# Altium PCB Outdoor_Tracker_v1.0.PcbDoc (part 2 of 2)
Units mm, origin at the board's own origin, x right, y up, seen from the top; angles counter-clockwise.
Board outline 60 x 60 mm, 4 copper layers (Top Layer, L2, L3, Bottom Layer), stack 0.971 mm thick; 134 components, 109 nets, 594 pads, 661 vias.
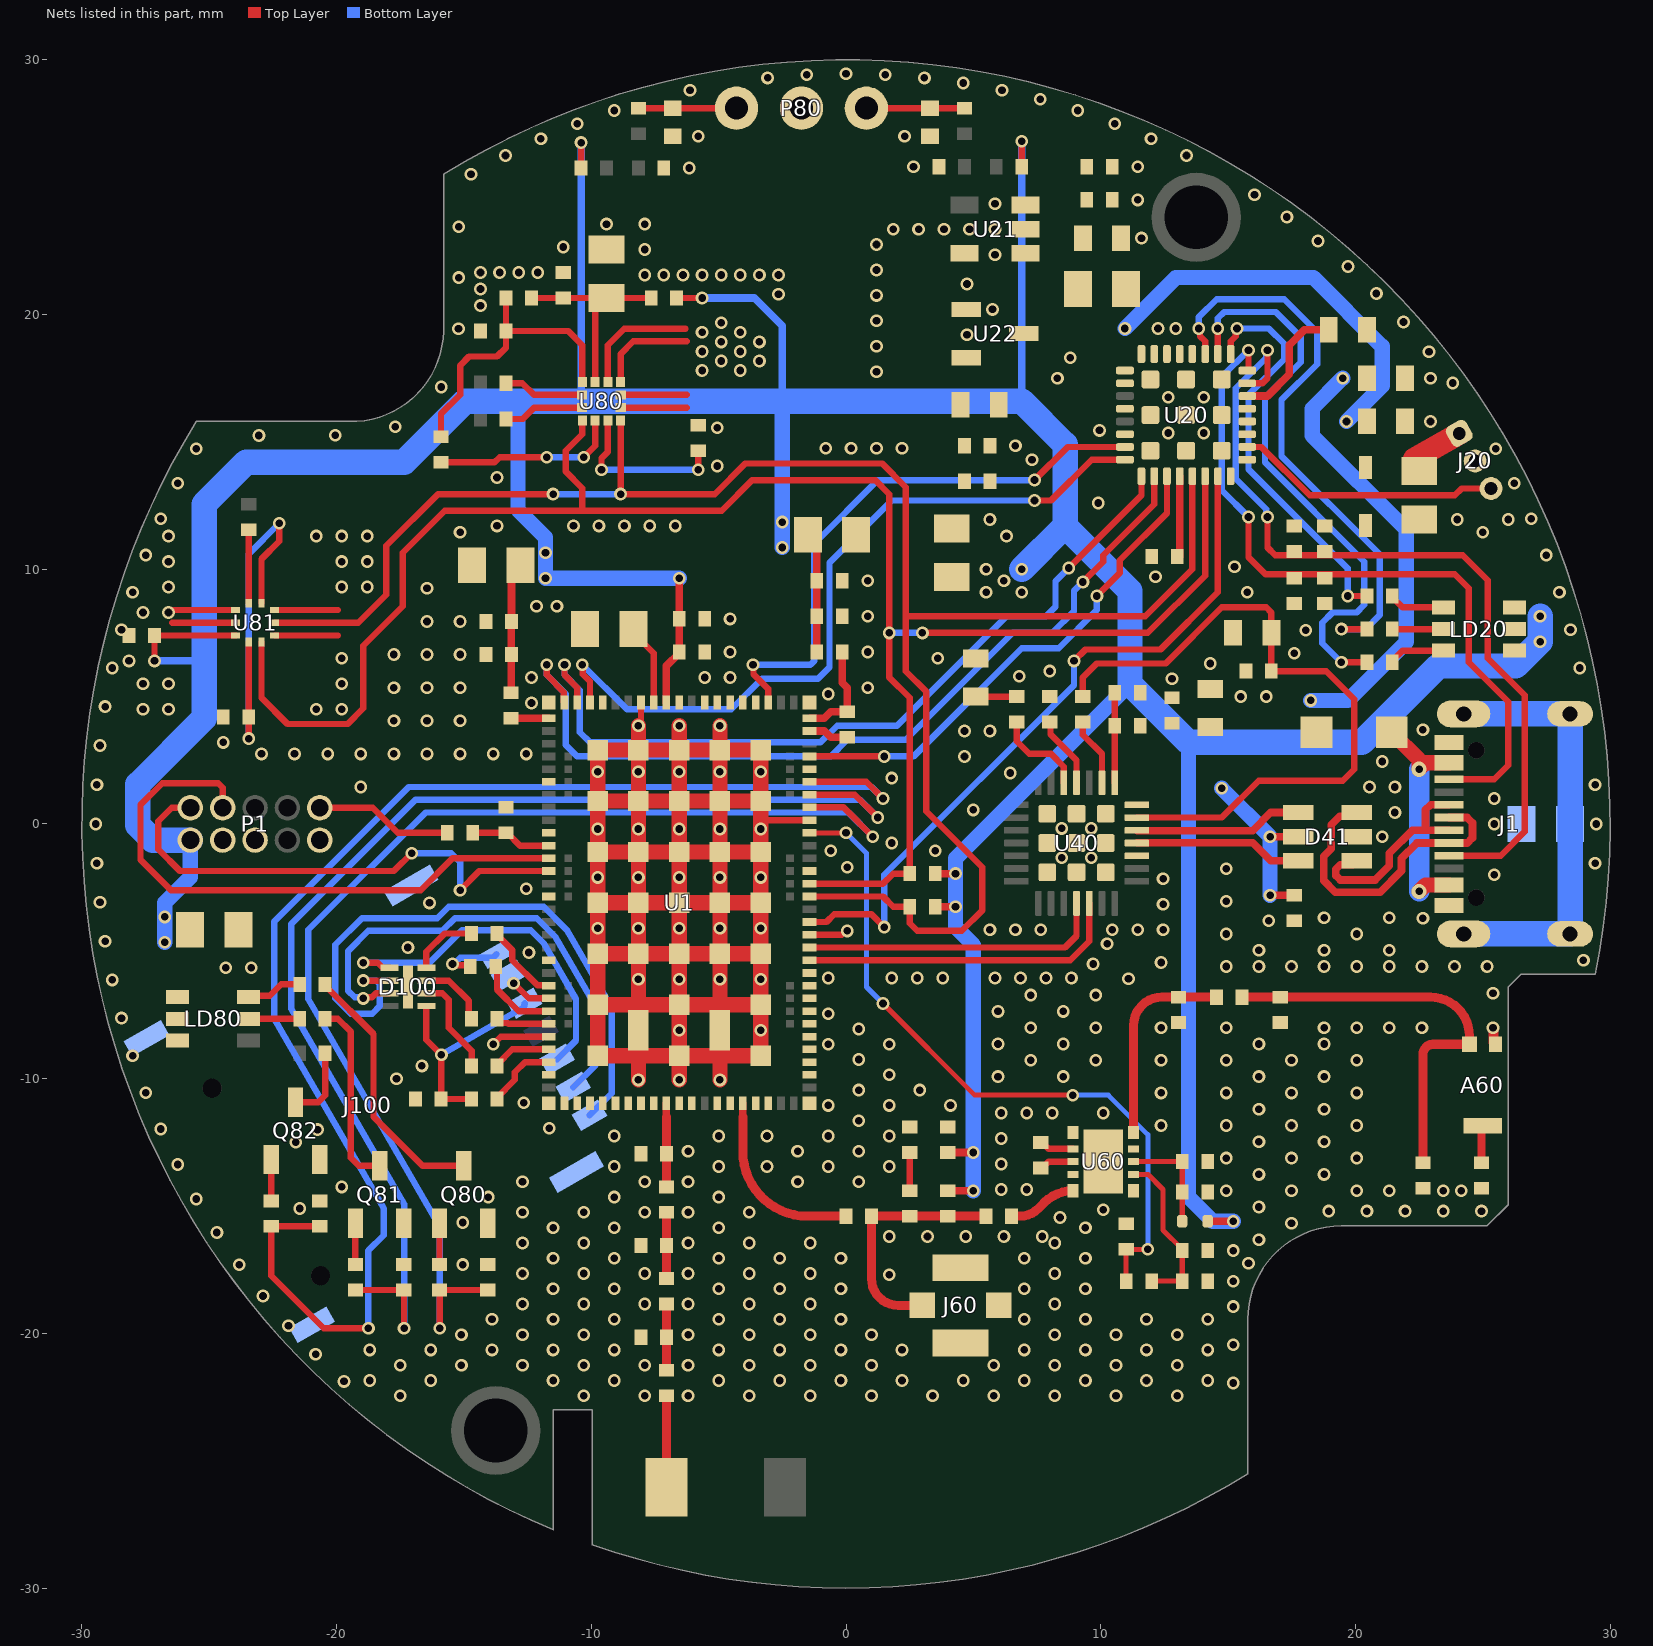
[diagram p4: the nets of this part, all layers, seen from the top]

## Via types
v1: diameter 0.5, hole 0.3, Top Layer to Bottom Layer, tented both sides, 659 vias
v2: diameter 0.6, hole 0.3, Top Layer to Bottom Layer, tented both sides, 2 vias

## Nets (pads, with @x,y where several pads share a name; then routed paths per layer and width w, separated by ;. In a path a pad name is that pad's centre, name@x,y a point inside that pad or via, vN(x,y) a via of type N, cw(c..) or ccw(c..) an arc to the next point about the centre after c; other vN are vias at no path point) (continued)
CC1: C45.1 J1.A5 R45.2 U20.23 | length 33.8
  Top Layer w0.25: U20.23@15.75,17.3 16.35,17.3 16.55,17.5 v1(16.55,18.6) ; v1(16.55,12.05) 16.55,10.85 16.85,10.55 18.05,10.55 24.211,10.55 25.2,9.561 25.2,6.5 26.65,5.05 26.65,-0.3 25.7,-1.25 J1.A5@23.672,-1.25
  Bottom Layer w0.25: v1(16.55,12.05) 16.502,12.098 16.502,12.348 15.3,13.55 15.3,17.1 16.502,18.302 16.502,18.552 v1(16.55,18.6)
CC2: C46.1 J1.B5 R46.2 U20.24 | length 29.1
  Top Layer w0.25: U20.24@15.75,17.8 15.775,17.8 15.8,17.825 v1(15.8,18.6) ; v1(15.8,12.05) 15.8,10.469 16.469,9.8 17.6,9.8 18.85,9.8 23.9,9.8 24.45,9.25 24.45,6.35 26,4.8 26,2.3 25.45,1.75 J1.B5@23.672,1.75
  Bottom Layer w0.25: v1(15.8,12.05) 14.75,13.1 14.75,17.55 v1(15.8,18.6)
COEX0: R61.2 R62.2 U1.93 | length 27.9
  Top Layer w0.2: U1.93@-1.43,-0.35 v1(0,-0.35) ; v1(1.45,-7.05) 5.05,-10.65 v1(8.9,-10.65) ; R61.2@11,-17.95 R62.2@11,-16.7 v1(11.85,-16.7)
  Bottom Layer w0.2: v1(0,-0.35) 0.8,-1.15 0.8,-6.4 v1(1.45,-7.05) ; v1(8.9,-10.65) 10.3,-10.65 11.85,-12.2 v1(11.85,-16.7)
EARTH: J1.S1 J1.S2 J1.S3 J1.S4 R47.2 | length 17
  Bottom Layer w1: J1.S1@24.247,-4.32 J1.S2@28.428,-4.32 J1.S3@28.428,4.32 J1.S4@24.247,4.32
GND: A60.2 C1.2 C2.2 C3.2 C4.2 C5.2 C6.2 C7.1 C8.2 C9.2 C10.2 C11.2 C20.2 C21.2 C22.2 C25.2 C26.2 C27.2 C28.2 C29.2 C30.2 C32.2 C37.2 C40.2 C41.2 C42.2 C43.2 C44.2 C45.2 C46.2 C60.1 C63.2 C64.2 C65.2 C66.2 C67.2 C68.2 C69.2 C72.2 C73.2 C74.2 C80.2 C81.2 C82.2 C83.2 C84.2 C85.2 C86.2 C100.2 D20.1 D41.2 D80.2 D81.2 D100.9 J1.A1_B12 J1.B1_A12 J20.2 J60.2 J60.3 J60.4 J100.0 J100.C5 L63.1 L65.1 LD40.K P1.3 P1.5 P1.9 P80.2 Q80.E Q81.E Q82.E R42.1 R43.1 R45.1 R46.1 R47.1 R62.1 R92.1 R93.1 R97.1 R98.1 U1.1 U1.5 U1.6 U1.7 U1.8 U1.9 U1.11 U1.14 U1.17 U1.21 U1.27 U1.31 U1.36 U1.41 U1.44 U1.47 U1.50 U1.52 U1.56 U1.60 U1.62 U1.63 U1.65 U1.66 U1.68 U1.69 U1.72 U1.74 U1.75 U1.76 U1.77 U1.78 U1.79 U1.80 U1.81 U1.82 U1.85 U1.90 U1.94 U1.98 U1.103 U20.2 U20.6 U20.16 U20.17 U20.28 U20.29 U20.30 U20.31 U20.33 U21.2 U22.1 U40.3 U40.29 U60.1 U60.4 U60.6 U60.9 U60.11 U80.5 U80.6 U80.7 U80.8 U81.3 U81.5 U81.8 U81.9 | length 143
  Top Layer w0.25: -26.45,7.9 U81.9@-23.962,7.9 ; v1@-26.45,8.4 U81.8@-23.962,8.4 ; U81.3@-22.437,7.4 -19.95,7.4 ; U81.5@-22.437,8.4 -19.95,8.4 ; v1(-13.85,-8.65) -13.55,-8.35 U1.47@-11.67,-8.35 ; v1(-13.05,-6.25) -12.45,-6.85 U1.44@-11.67,-6.85 ; U80.8@-9.35,17.355 -9.35,18.795 -8.7,19.445 -6.3,19.445 ; U80.7@-8.85,17.355 -8.85,18.45 -8.35,18.95 -6.25,18.95 ; U80.5@-8.84,16.345 -6.255,16.345 ; U80.6@-8.84,16.845 -6.255,16.845 ; v1@-8.05,4.018 U1.14@-8.05,4.77 ; -3.35,0.15 U1.94@-1.43,0.15 ; U1.85@-1.43,-4.35 -0.168,-4.35 -0.018,-4.2 v1(0.05,-4.2)
  Top Layer w0.4: v1(25.4,-8) 25.419,-8.019 A60.2@25.419,-8.569
  Top Layer w0.6: v1(-8.15,-10.05) -8.15,-9.1 ; v1(-8.15,3.85) U1.103@-8.15,2.9 ; v1(-6.55,-10.05) U1.103@-6.55,-9.1 ; v1(-6.55,3.85) U1.103@-6.55,2.9 ; v1(-4.95,-10.05) -4.95,-9.1 ; v1(-4.95,3.85) U1.103@-4.95,2.9 ; U1.103@-9.75,-7.1 U1.103@-6.55,-7.1 ; U1.103@-9.75,-7.1 -9.75,-8.35 U1.103@-9.75,-9.1 -8.15,-9.1 ; U1.103@-9.75,-7.1 U1.103@-9.75,-5.1 ; U1.103@-9.75,-5.1 U1.103@-9.75,-3.1 ; U1.103@-9.75,-5.1 U1.103@-8.15,-5.1 ; U1.103@-9.75,-3.1 U1.103@-8.15,-3.1 ; U1.103@-9.75,-3.1 U1.103@-9.75,-1.1 ; U1.103@-9.75,-1.1 U1.103@-8.15,-1.1 ; U1.103@-9.75,-1.1 U1.103@-9.75,0.9 ; U1.103@-9.75,0.9 U1.103@-8.15,0.9 ; U1.103@-9.75,0.9 U1.103@-9.75,2.9 U1.103@-8.15,2.9 ; -8.15,-9.1 U1.103@-6.55,-9.1 ; -8.15,-9.1 U1.103@-8.15,-5.1 ; U1.103@-8.15,-5.1 U1.103@-8.15,-3.1 ; U1.103@-8.15,-5.1 U1.103@-6.55,-5.1 ; U1.103@-8.15,-3.1 U1.103@-8.15,-1.1 ; U1.103@-8.15,-3.1 U1.103@-6.55,-3.1 ; U1.103@-8.15,-1.1 U1.103@-6.55,-1.1 ; U1.103@-8.15,-1.1 U1.103@-8.15,0.9 ; U1.103@-8.15,0.9 U1.103@-8.15,2.9 ; U1.103@-8.15,0.9 U1.103@-6.55,0.9 ; U1.103@-8.15,2.9 U1.103@-6.55,2.9 ; U1.103@-6.55,-9.1 -4.95,-9.1 ; U1.103@-6.55,-9.1 U1.103@-6.55,-7.1 ; U1.103@-6.55,-7.1 U1.103@-3.35,-7.1 ; U1.103@-6.55,-7.1 U1.103@-6.55,-5.1 ; U1.103@-6.55,-5.1 U1.103@-4.95,-5.1 ; U1.103@-6.55,-5.1 U1.103@-6.55,-3.1 ; U1.103@-6.55,-3.1 U1.103@-4.95,-3.1 ; U1.103@-6.55,-3.1 U1.103@-6.55,-1.1 ; U1.103@-6.55,-1.1 U1.103@-4.95,-1.1 ; U1.103@-6.55,-1.1 U1.103@-6.55,0.9 ; U1.103@-6.55,0.9 U1.103@-6.55,2.9 ; U1.103@-6.55,0.9 U1.103@-4.95,0.9 ; U1.103@-6.55,2.9 U1.103@-4.95,2.9 ; -4.95,-9.1 U1.103@-3.35,-9.1 U1.103@-3.35,-7.1 ; -4.95,-9.1 U1.103@-4.95,-5.1 ; U1.103@-4.95,-5.1 U1.103@-3.35,-5.1 ; U1.103@-4.95,-5.1 U1.103@-4.95,-3.1 ; U1.103@-4.95,-3.1 U1.103@-3.35,-3.1 ; U1.103@-4.95,-3.1 U1.103@-4.95,-1.1 ; U1.103@-4.95,-1.1 U1.103@-3.35,-1.1 ; U1.103@-4.95,-1.1 U1.103@-4.95,0.9 ; U1.103@-4.95,0.9 U1.103@-4.95,2.9 ; U1.103@-4.95,0.9 U1.103@-3.35,0.9 ; U1.103@-4.95,2.9 U1.103@-3.35,2.9 U1.103@-3.35,0.9 ; U1.103@-3.35,-7.1 U1.103@-3.35,-5.1 ; U1.103@-3.35,-5.1 U1.103@-3.35,-3.1 ; U1.103@-3.35,-3.1 U1.103@-3.35,-1.1 ; U1.103@-3.35,-1.1 -3.35,0.15 U1.103@-3.35,0.9
  other v1: -17.5,-22.45 -10.3,-22.45 -7.9,-22.45 -6.2,-22.45 -3.8,-22.45 -1.4,-22.45 1,-22.45 3.4,-22.45 5.8,-22.45 8.2,-22.45 10.6,-22.45 13,-22.45 15.2,-21.95 -19.706,-21.886 -18.7,-21.85 -16.3,-21.85 -11.5,-21.85 -9.1,-21.85 -5,-21.85 -2.6,-21.85 -0.2,-21.85 2.2,-21.85 4.6,-21.85 7,-21.85 9.4,-21.85 11.8,-21.85 14.2,-21.85 -17.5,-21.25 -15.1,-21.25 -12.7,-21.25 -10.3,-21.25 -7.9,-21.25 -6.2,-21.25 -3.8,-21.25 -1.4,-21.25 1,-21.25 5.8,-21.25 8.2,-21.25 10.6,-21.25 13,-21.25 -20.824,-20.824 -18.7,-20.65 -16.3,-20.65 -13.9,-20.65 -11.5,-20.65 -9.1,-20.65 -5,-20.65 -2.6,-20.65 -0.2,-20.65 2.2,-20.65 7,-20.65 9.4,-20.65 11.8,-20.65 14.2,-20.65 15.2,-20.45 -15.1,-20.05 -12.7,-20.05 -10.3,-20.05 -6.2,-20.05 -3.8,-20.05 -1.4,-20.05 1,-20.05 8.2,-20.05 10.6,-20.05 13,-20.05 -21.886,-19.706 -13.9,-19.45 -11.5,-19.45 -9.1,-19.45 -5,-19.45 -2.6,-19.45 -0.2,-19.45 7,-19.45 9.4,-19.45 11.8,-19.45 14.2,-19.45 15.2,-18.95 -12.7,-18.85 -10.3,-18.85 -7.9,-18.85 -6.2,-18.85 -3.8,-18.85 -1.4,-18.85 8.2,-18.85 -22.887,-18.533 -11.5,-18.25 -9.1,-18.25 -5,-18.25 -2.6,-18.25 -0.2,-18.25 7,-18.25 9.4,-18.25 15.2,-17.95 1.7,-17.7 -12.7,-17.65 -10.3,-17.65 -7.9,-17.65 -6.2,-17.65 -3.8,-17.65 -1.4,-17.65 8.2,-17.65 -23.826,-17.31 -15.05,-17.3 15.8,-17.25 -11.5,-17.05 -9.1,-17.05 -5,-17.05 -2.6,-17.05 -0.2,-17.05 7,-17.05 9.4,-17.05 15.2,-16.75 -12.7,-16.45 -10.3,-16.45 -6.2,-16.45 -3.8,-16.45 -1.4,-16.45 8.2,-16.45 16.21,-16.32 1.7,-16.2 3.2,-16.2 4.7,-16.2 6.2,-16.2 7.7,-16.2 -24.699,-16.04 -11.5,-15.85 -9.1,-15.85 -5,-15.85 9.4,-15.85 17.49,-15.68 -15.05,-15.65 8.4,-15.45 -12.7,-15.25 -10.3,-15.25 -7.9,-15.25 -6.2,-15.25 -3.8,-15.25 18.95,-15.2 20.45,-15.2 21.95,-15.2 23.45,-15.2 24.95,-15.2 10.1,-15.15 -21.45,-15.1 16.21,-15.04 -25.504,-14.725 -14.05,-14.65 -9.1,-14.65 -5,-14.65 14.93,-14.4 17.49,-14.4 20.05,-14.4 21.33,-14.4 23.45,-14.4 24.15,-14.4 6.1,-14.35 7.1,-14.35 -19.8,-14.25 -12.7,-14.05 -7.9,-14.05 -6.2,-14.05 -1.9,-14.05 0.5,-14.05 16.21,-13.76 18.77,-13.76 -9.1,-13.45 -5,-13.45 -3.1,-13.45 -0.7,-13.45 1.7,-13.45 -26.24,-13.37 6.1,-13.35 14.93,-13.12 17.49,-13.12 20.05,-13.12 -6.2,-12.85 -1.9,-12.85 0.5,-12.85 -21.6,-12.5 16.21,-12.48 18.77,-12.48 6.1,-12.35 -9.1,-12.25 -5,-12.25 -3.1,-12.25 -0.7,-12.25 1.7,-12.25 -26.904,-11.978 -20.75,-12 -11.65,-11.95 12.37,-11.84 14.93,-11.84 17.49,-11.84 20.05,-11.84 0.5,-11.65 6.1,-11.35 7.1,-11.35 8.1,-11.35 10.1,-11.35 16.21,-11.2 18.77,-11.2 -0.7,-11.05 1.7,-11.05 4.1,-11.05 -12.65,-10.95 12.37,-10.56 14.93,-10.56 17.49,-10.56 20.05,-10.56 -27.494,-10.554 0.5,-10.45 2.9,-10.45 -17.65,-10 5.97,-9.92 8.53,-9.92 16.21,-9.92 18.77,-9.92 1.7,-9.85 -16.65,-9.5 7.25,-9.28 9.81,-9.28 12.37,-9.28 14.93,-9.28 17.49,-9.28 20.05,-9.28 0.5,-9.25 -28.009,-9.101 -0.7,-8.65 1.7,-8.65 5.97,-8.64 8.53,-8.64 16.21,-8.64 18.77,-8.64 -6.55,-8.1 -3.35,-8.1 0.5,-8.05 7.25,-8 9.81,-8 12.37,-8 14.93,-8 18.77,-8 20.05,-8 21.33,-8 22.61,-8 -28.447,-7.622 -0.7,-7.45 5.97,-7.36 8.53,-7.36 7.25,-6.72 9.81,-6.72 25.4,-6.65 -28.806,-6.123 -8.15,-6.1 -6.55,-6.1 -4.95,-6.1 -3.35,-6.1 11.09,-6.08 -0.7,-6.05 1.8,-6.05 2.8,-6.05 3.8,-6.05 5.85,-6.05 6.85,-6.05 7.85,-6.05 8.85,-6.05 -24.35,-5.65 -23.35,-5.65 14.93,-5.6 16.21,-5.6 17.49,-5.6 18.77,-5.6 20.05,-5.6 21.33,-5.6 22.61,-5.6 23.89,-5.6 25.17,-5.6 9.7,-5.5 12.37,-5.44 28.95,-5.35 -12.45,-5.05 16.21,-4.96 18.77,-4.96 21.33,-4.96 -17.2,-4.85 10.25,-4.7 -29.087,-4.607 14.93,-4.32 20.05,-4.32 5.65,-4.15 6.65,-4.15 7.65,-4.15 10.45,-4.15 11.45,-4.15 12.45,-4.15 -9.75,-4.1 -8.15,-4.1 -6.55,-4.1 -4.95,-4.1 -3.35,-4.1 16.6,-3.8 22.65,-3.7 18.77,-3.68 21.33,-3.68 12.45,-3.15 -16.35,-3.1 -29.289,-3.078 14.93,-3.04 -12.55,-2.55 12.45,-2.15 -9.75,-2.1 -8.15,-2.1 -6.55,-2.1 -4.95,-2.1 -3.35,-2.1 25.45,-2 14.93,-1.76 0.05,-1.7 -29.41,-1.541 29.41,-1.541 8.475,-1.325 9.625,-1.325 -0.6,-1.05 3.5,-1.05 1.8,-0.75 21.05,-0.5 -9.75,-0.2 -8.15,-0.2 -6.55,-0.2 -4.95,-0.2 -3.35,-0.2 8.475,-0.175 9.625,-0.175 -29.45,0 25.45,0 29.45,0 21.55,0.45 5,0.55 25.45,1 -19.05,1.45 20.55,1.45 21.55,1.45 -29.41,1.541 29.41,1.541 1.8,1.8 6.45,2 -9.75,2.05 -8.15,2.05 -6.55,2.05 -4.95,2.05 -3.35,2.05 21.05,2.45 4.65,2.65 -22.95,2.75 -21.65,2.75 -20.35,2.75 -19.05,2.75 -17.75,2.75 -16.45,2.75 -15.15,2.75 -13.85,2.75 -12.55,2.75 -29.289,3.078 -24.45,3.2 4.65,3.65 5.65,3.65 22.65,3.7 -17.75,4.05 -16.45,4.05 -15.15,4.05 -27.6,4.5 -26.6,4.5 -20.8,4.5 -19.8,4.5 -29.087,4.607 -12.35,4.75 15.5,5 16.5,5 -0.7,5.1 -17.75,5.35 -16.45,5.35 -15.15,5.35 0.85,5.35 -27.6,5.5 -26.6,5.5 -19.8,5.5 12.8,5.7 -12.35,5.75 -5.55,5.75 -4.55,5.75 6.8,5.8 8,6 -28.806,6.123 28.806,6.123 14.3,6.3 -28.15,6.4 -19.8,6.5 3.6,6.5 -17.75,6.65 -16.45,6.65 -15.15,6.65 17.6,6.7 -4.55,6.75 0.85,6.75 18.05,7.6 -28.447,7.622 28.447,7.622 -16.45,7.95 -15.15,7.95 -4.55,8.05 0.85,8.15 -27.6,8.3 -26.6,8.3 -12.15,8.55 -11.35,8.55 -28.009,9.101 15.75,9.1 28.009,9.101 -16.45,9.25 -26.6,9.3 -19.8,9.3 -18.8,9.3 0.85,9.55 12.15,9.7 15.25,10.1 -26.6,10.3 -19.8,10.3 -18.8,10.3 -27.494,10.554 27.494,10.554 -26.6,11.3 -20.8,11.3 -19.8,11.3 -18.8,11.3 6.3,11.3 -15.15,11.45 25,11.45 -13.7,11.7 -10.7,11.7 -9.7,11.7 -8.7,11.7 -7.7,11.7 -6.7,11.7 5.65,11.95 24,11.95 26,11.95 -26.904,11.978 26.904,11.978 9.9,12.6 -26.24,13.37 26.24,13.37 -13.7,13.6 -5.05,14.05 7.3,14.3 -25.504,14.725 25.504,14.725 -0.8,14.75 0.2,14.75 1.2,14.75 2.2,14.75 6.65,14.85 -23.05,15.25 -20.052,15.258 12.65,15.35 14.05,15.35 9.95,15.45 -5.05,15.55 -17.692,15.595 22.95,15.8 12.65,16.75 14.05,16.75 -15.889,17.154 23.826,17.31 8.3,17.5 22.95,17.5 1.2,17.75 -5.65,17.8 -4.15,17.8 -4.9,18.175 -3.4,18.175 8.8,18.3 -5.65,18.55 -4.15,18.55 22.887,18.533 1.2,18.75 -4.9,18.925 -3.4,18.925 4.75,19.2 -5.65,19.3 -4.15,19.3 -15.215,19.445 12.25,19.45 12.95,19.45 -4.9,19.675 21.886,19.706 1.2,19.75 5.75,20.2 -14.35,20.35 1.2,20.75 -2.65,20.8 20.824,20.824 -14.35,21 4.75,21.2 -15.2,21.45 -7.9,21.55 -7.15,21.55 -6.4,21.55 -5.65,21.55 -4.9,21.55 -4.15,21.55 -3.4,21.55 -2.65,21.55 -14.35,21.65 -13.6,21.65 -12.85,21.65 -12.1,21.65 1.2,21.75 19.706,21.886 5.85,22.35 -7.9,22.55 -11.1,22.65 1.2,22.75 18.533,22.887 11.6,23 1.85,23.35 2.85,23.35 3.85,23.35 4.85,23.35 5.85,23.35 -15.2,23.45 -9.4,23.55 -7.9,23.55 17.31,23.826 5.85,24.35 11.45,24.5 16.04,24.699 -14.725,25.504 -6.15,25.75 2.65,25.8 11.45,25.8 -13.37,26.24 13.37,26.24 -11.978,26.904 11.978,26.904 -5.8,27 2.3,27 -10.554,27.494 10.554,27.494 -9.101,28.009 9.101,28.009 7.622,28.447 -6.123,28.806 6.123,28.806 4.607,29.087 -3.078,29.289 3.078,29.289 -1.541,29.41 1.541,29.41 0,29.45
GPS_RF: C61.1 U1.67 | length 7.4
  Top Layer w0.3: -4.05,-11.5 U1.67@-4.05,-10.97
  Top Layer w0.357: -4.05,-11.5 -4.05,-12.86 ccw(c-1.51,-12.86) -1.51,-15.4 C61.1@0,-15.4
GREEN_LED_K: LD80.5 R86.2 | length 2.2
  Top Layer w0.25: LD80.5@-23.45,-6.8 -23.4,-6.75 -22.625,-6.75 -22.175,-6.3 R86.2@-21.45,-6.3
I2C_SCL: R3.1 U1.89 U20.14 U80.1 U81.2 | length 74.8
  Top Layer w0.25: U81.2@-22.95,7.138 -22.95,4.95 -21.925,3.925 -19.562,3.925 -18.95,4.537 -18.95,7 -17.4,8.55 -17.4,10.65 -15.75,12.3 -10.35,12.3 ; U80.1@-10.35,15.835 -10.35,15.3 -11,14.65 -11,13.834 -10.35,13.184 -10.35,12.3 ; U1.89@-1.43,-2.35 1.45,-2.35 1.85,-1.95 R3.1@2.5,-1.95 2.5,4.95 1.7,5.75 v1(1.7,7.5) 1.7,12.95 1.15,13.5 -3.681,13.5 -4.881,12.3 -10.35,12.3 ; v1(3,7.5) 11.85,7.5 14.1,9.75 U20.14@14.1,13.65
  Bottom Layer w0.25: v1(1.7,7.5) v1(3,7.5)
I2C_SDA: R4.1 U1.88 U20.13 U80.4 U81.4 | length 73.4
  Top Layer w0.25: U81.4@-22.437,7.9 -19.15,7.9 -18.05,9 -18.05,10.919 -16.019,12.95 v1(-11.5,12.95) ; U80.4@-8.85,15.835 v1(-8.85,12.95) -5.15,12.95 -3.95,14.15 1.419,14.15 2.35,13.219 2.35,8.15 ; U1.88@-1.43,-2.85 1.45,-2.85 1.85,-3.25 R4.1@2.5,-3.25 2.5,-3.9 2.8,-4.2 4.55,-4.2 5.35,-3.4 5.35,-1.7 3.15,0.5 3.15,5.2 2.35,6 2.35,8.15 ; U20.13@13.6,13.65 13.6,10 11.75,8.15 2.35,8.15
  Bottom Layer w0.25: v1(-11.5,12.95) v1(-8.85,12.95)
LED0: R28.1 U20.25 | length 16
  Top Layer w0.25: U20.25@15.1,18.45 15.1,18.95 15.302,19.152 15.302,19.402 v1(15.35,19.45) ; v1(19.7,8.95) R28.1@20.45,8.95
  Bottom Layer w0.25: v1(15.35,19.45) 16.6,19.45 17.2,18.85 17.2,18.25 15.8,16.85 15.8,13.931 19.7,10.031 v1(19.7,8.95)
LED1: R26.1 U20.26 | length 22.7
  Top Layer w0.25: U20.26@14.6,18.45 v1(14.6,19.45) ; v1(19.45,6.35) R26.1@20.45,6.35
  Bottom Layer w0.25: v1(14.6,19.45) 14.6,19.85 14.85,20.1 16.869,20.1 17.85,19.119 17.85,18.131 16.45,16.731 16.45,14.2 20.35,10.3 20.35,8.6 20.05,8.3 19.1,8.3 18.7,7.9 18.7,7.1 v1(19.45,6.35)
LED2: R27.1 U20.27 | length 23
  Top Layer w0.25: v1(13.85,19.45) 13.898,19.402 13.898,19.152 14.1,18.95 U20.27@14.1,18.45 ; v1(19.45,7.65) R27.1@20.45,7.65
  Bottom Layer w0.25: v1(13.85,19.45) 13.85,19.9 14.55,20.6 17.2,20.6 18.5,19.3 18.5,18.05 17.1,16.65 17.1,14.431 20.95,10.581 20.95,8.2 20.4,7.65 v1(19.45,7.65)
LED_BLUE: R96.2 R97.2 U1.97 | length 55.3
  Top Layer w0.25: R97.2@-20.66,-15.8 R96.2@-22.56,-15.8 -22.56,-17.74 -20.5,-19.8 v1(-18.75,-19.8) ; U1.97@-1.43,1.65 0.8,1.65 v1(1.45,1)
  Bottom Layer w0.25: v1(-18.75,-19.8) -18.75,-16.75 -18.15,-16.15 -18.15,-15.096 -22.45,-7.649 -22.45,-3.829 -17.171,1.45 1,1.45 v1(1.45,1)
LED_GREEN: R90.2 R92.2 U1.95 | length 47.8
  Top Layer w0.25: v1(-15.95,-19.8) -15.955,-19.795 -15.955,-18.305 R90.2@-15.96,-18.3 R92.2@-14.06,-18.3 ; U1.95@-1.43,0.65 -0.1,0.65 v1(1.05,-0.5)
  Bottom Layer w0.25: v1(-15.95,-19.8) -15.95,-15.807 -21.108,-6.874 -21.108,-4.158 -16.5,0.45 0.1,0.45 v1(1.05,-0.5)
LED_RED: R91.2 R93.2 U1.96 | length 48.9
  Top Layer w0.25: R91.2@-19.26,-18.3 R93.2@-17.36,-18.3 -17.355,-18.305 -17.355,-19.795 v1(-17.35,-19.8) ; U1.96@-1.43,1.15 0.35,1.15 v1(1.25,0.25)
  Bottom Layer w0.25: v1(-17.35,-19.8) -17.35,-14.932 -21.779,-7.261 -21.779,-3.929 -16.9,0.95 0.55,0.95 v1(1.25,0.25)
LTE_RF: C70.2 C73.1 U1.61 | length 3.3
  Top Layer w0.3: -7.05,-11.5 U1.61@-7.05,-10.97
  Top Layer w0.357: C70.2@-7.05,-14.25 C73.1@-7.05,-12.95 -7.05,-11.5
MAGPIO0: U1.55
MAGPIO1: U1.54
MAGPIO2: U1.53
MIPI_SCLK: U1.58
MIPI_SDATA: U1.59
MIPI_VIO: U1.57
NetA60_1: A60.1 C65.1 C69.1 R60.1 | length 16.4
  Top Layer w0.357: R60.1@15.6,-6.8 22.95,-6.8 cw(c22.95,-8.325) 24.475,-8.325 A60.1@24.475,-8.65 23.05,-8.65 ccw(c23.05,-9.05) 22.65,-9.05 C69.1@22.65,-13.3
NetA60_3: A60.3 C72.1 | length 1.5
  Top Layer w0.3: C72.1@24.95,-13.3 24.95,-11.9 A60.3@25,-11.85
NetA61_1: A61.1 L64.2 | length 3.6
  Top Layer w0.357: A61.1@-7.05,-26.05 L64.2@-7.05,-22.45
NetC9_1: C9.1 U1.13 | length 3.2
  Top Layer w0.25: C9.1@-8.35,7.65 -8.35,7.5 -7.55,6.7 U1.13@-7.55,4.77
NetC10_1: C10.1 R2.1 U1.32 | length 3.2
  Top Layer w0.25: R2.1@-14.65,-0.35 C10.1@-13.35,-0.35 -13.3,-0.35 -12.8,-0.85 U1.32@-11.67,-0.85
NetC61_2: C61.2 C62.1 J60.1 L60.1 L61.2 | length 9.5
  Top Layer w0.357: J60.1@3,-18.9 2.05,-18.9 cw(c2.05,-17.85) 1,-17.85 C61.2@1,-15.4 L61.2@2.5,-15.4 L60.1@4,-15.4 C62.1@5.5,-15.4
NetC62_2: C62.2 U60.10 | length 2.7
  Top Layer w0.357: C62.2@6.5,-15.4 6.826,-15.4 ccw(c6.826,-14.376) 7.55,-15.1 7.782,-14.868 cw(c8.912,-15.999) U60.10@8.912,-14.4
NetC63_1: C63.1 C64.1 JP60.1 U60.3 | length 4.3
  Top Layer w0.2: U60.3@11.288,-13.256 C63.1@13.2,-13.256 C64.1@13.2,-14.45 JP60.1@13.2,-15.6
NetC66_1: C66.1 L61.1 | length 1.5
  Top Layer w0.25: L61.1@2.5,-14.4 C66.1@2.5,-12.9
NetC67_1: C67.1 C68.1 R61.1 U60.2 | length 6.5
  Top Layer w0.2: U60.2@11.288,-13.757 11.857,-13.757 12.45,-14.35 12.45,-15.95 13.2,-16.7 C68.1@13.2,-16.75 C67.1@13.2,-17.95 R61.1@12,-17.95
NetC70_1: C70.1 C71.2 C74.1 | length 2.6
  Top Layer w0.357: C71.2@-7.05,-17.85 C74.1@-7.05,-16.55 C70.1@-7.05,-15.25
NetC71_1: C71.1 L64.1 L65.2 | length 2.6
  Top Layer w0.357: L64.1@-7.05,-21.45 L65.2@-7.05,-20.15 C71.1@-7.05,-18.85
NetC82_1: C82.1 C83.1 R80.1 R81.2 U80.9 | length 8.2
  Top Layer w0.25: R81.2@-12.35,20.65 C83.1@-11.1,20.65 C82.1@-9.425,20.65 ; U80.9@-9.85,17.355 -9.85,20.225 C82.1@-9.425,20.65 ; R80.1@-7.65,20.65 C82.1@-9.4,20.65 C82.1@-9.425,20.65
NetC84_1: C84.1 R81.1 R99.2 U80.10 | length 11.8
  Top Layer w0.25: R99.2@-15.9,15.2 -15.9,16.1 -15.15,16.85 -15.15,18 -14.8,18.35 -13.7,18.35 -13.35,18.7 C84.1@-13.35,19.35 ; R81.1@-13.35,20.65 C84.1@-13.35,19.35 ; -10.354,18.795 -10.909,19.35 C84.1@-13.35,19.35 ; U80.10@-10.35,17.355 -10.35,18.795
NetC100_1: C100.1 D100.5 J100.C1 R101.1 | length 9
  Top Layer w0.25: D100.5@-16.475,-7.15 -16.475,-8.475 v1(-15.884,-9.066) -15.892,-9.074 -15.892,-10.792 C100.1@-15.9,-10.8 R101.1@-14.7,-10.8
  Bottom Layer w0.25: v1(-15.884,-9.066) -12.653,-7.2 J100.C1@-12.61,-7.042
NetD40_A: D40.A J1.A4_B9 J1.B4_A9 | length 9.2
  Top Layer w0.6: D40.A@21.425,3.6 22.5,2.525 v2(22.5,2.15) 22.75,2.4 J1.B4_A9@23.672,2.4 ; v2(22.5,-2.65) 22.75,-2.4 J1.A4_B9@23.672,-2.4
  Bottom Layer w0.8: v2(22.5,-2.65) v2(22.5,2.15)
NetD80_1: D80.1 P80.1 R88.2 | length 3.9
  Top Layer w0.25: P80.1@0.8,28.099 R88.2@4.65,28.1
NetD81_1: D81.1 P80.3 R89.2 | length 3.9
  Top Layer w0.25: R89.2@-8.15,28.1 P80.3@-4.3,28.099
NetD100_1: D100.1 J100.C2 | length 14.1
  Top Layer w0.25: v1(-18.95,-5.45) -18.386,-5.45 -18.186,-5.65 D100.1@-17.925,-5.65
  Bottom Layer w0.25: v1(-18.95,-5.45) -16.35,-5.45 -15.075,-4.175 -12.375,-4.175 -11.865,-4.685 -10.6,-6.876 -10.6,-8.501 J100.C2@-11.34,-9.241
NetD100_2: D100.2 J100.C3 | length 25
  Top Layer w0.25: v1(-18.95,-6.15) D100.2@-17.925,-6.15
  Bottom Layer w0.25: v1(-18.95,-6.15) -18.946,-6.154 -18.446,-6.154 -18.3,-6.3 -18.3,-7.15 -18.6,-7.45 -19.45,-7.45 -20.05,-6.85 -20.05,-4.75 -19,-3.7 -16.05,-3.7 -15.6,-3.25 -11.873,-3.25 -10.96,-4.163 -9.2,-7.211 -9.2,-10.571 J100.C3@-10.07,-11.441
NetD100_3: D100.3 J100.C7 | length 19
  Top Layer w0.25: v1(-18.95,-6.85) -18.908,-6.808 -18.608,-6.808 -18.45,-6.65 D100.3@-17.925,-6.65
  Bottom Layer w0.25: v1(-18.95,-6.85) -18.992,-6.808 -19.292,-6.808 -19.55,-6.55 -19.55,-5 -18.75,-4.2 -15.85,-4.2 -15.35,-3.7 -12.146,-3.7 -11.419,-4.428 -9.85,-7.144 -9.85,-9.486 J100.C7@-10.705,-10.341
NetD100_6: D100.6 R104.1 | length 4
  Top Layer w0.25: D100.6@-16.475,-6.65 -15.85,-6.65 -15.6,-6.9 -15.6,-7.999 -14.7,-8.899 R104.1@-14.7,-9.5
NetD100_7: D100.7 R103.1 | length 2.7
  Top Layer w0.25: D100.7@-16.475,-6.15 -15.6,-6.15 -14.815,-6.935 -14.815,-7.535 R103.1@-14.7,-7.65
NetD100_8: D100.8 R102.1 | length 2.7
  Top Layer w0.25: D100.8@-16.475,-5.65 -16.475,-5.025 -15.75,-4.3 R102.1@-14.7,-4.3
NetFB1_2: FB1.2 R1.2 U1.102 | length 4
  Top Layer w0.3: U1.102@-1.43,4.15 -0.85,4.15 -0.6,4.4 R1.2@0.05,4.4 0.05,5.35 -0.15,5.55 FB1.2@-0.15,6.75
NetFB2_2: FB2.2 U1.22 | length 1.5
  Top Layer w0.3: FB2.2@-13.15,4.15 U1.22@-11.67,4.15
NetJ100_CD: J100.CD R100.1 | length 2.6
  Top Layer w0.25: v1(-15.45,-5.5) -15.402,-5.548 -14.802,-5.548 R100.1@-14.75,-5.6
  Bottom Layer w0.25: v1(-15.45,-5.5) -15.382,-5.5 -15.139,-5.257 -13.858,-5.257 J100.CD@-13.72,-5.119
NetL62_1: L62.1 U60.7 | length 1.4
  Top Layer w0.25: L62.1@7.65,-12.506 7.7,-12.506 7.95,-12.757 U60.7@8.912,-12.757
NetL62_2: L62.2 U60.8 | length 1.4
  Top Layer w0.25: L62.2@7.65,-13.506 7.7,-13.506 7.95,-13.256 U60.8@8.912,-13.256
NetL63_2: L63.2 R60.2 U60.5 | length 8.1
  Top Layer w0.357: U60.5@11.288,-12.113 11.288,-7.912 cw(c12.4,-7.912) 12.4,-6.8 L63.2@13.05,-6.8 R60.2@14.55,-6.8
NetLD20_1: LD20.1 R28.2 | length 2.2
  Top Layer w0.25: R28.2@21.45,8.95 21.45,8.9 21.85,8.5 LD20.1@23.45,8.5
NetLD20_3: LD20.3 R27.2 | length 2
  Top Layer w0.25: R27.2@21.45,7.65 LD20.3@23.45,7.65
NetLD20_5: LD20.5 R26.2 | length 2.2
  Top Layer w0.25: R26.2@21.45,6.35 21.45,6.4 21.85,6.8 LD20.5@23.45,6.8
NetLD40_A: LD40.A R41.1 | length 1.6
  Top Layer w0.25: LD40.A@5.1,5 R41.1@6.7,5
NetQ80_B: Q80.B R90.1 | length 1.6
  Top Layer w0.25: R90.1@-15.96,-17.3 Q80.B@-15.96,-15.675
NetQ80_C: Q80.C R86.1 | length 10.3
  Top Layer w0.25: R86.1@-20.45,-6.3 -20.45,-6.35 -18.55,-8.25 -18.55,-11.5 -16.625,-13.425 Q80.C@-15.01,-13.425
NetQ81_B: Q81.B R91.1 | length 1.6
  Top Layer w0.25: R91.1@-19.26,-17.3 Q81.B@-19.26,-15.675
NetQ81_C: Q81.C R87.1 | length 7.4
  Top Layer w0.25: R87.1@-20.45,-7.65 -19.95,-7.65 -19.45,-8.15 -19.45,-13.1 -19.125,-13.425 Q81.C@-18.31,-13.425
NetQ82_B: Q82.B R96.1 | length 1.6
  Top Layer w0.25: R96.1@-22.56,-14.8 Q82.B@-22.56,-13.175
NetQ82_C: Q82.C R95.1 | length 2.9
  Top Layer w0.25: Q82.C@-21.61,-10.925 -20.725,-10.925 -20.45,-10.65 R95.1@-20.45,-9
NetR1_1: R1.1 U1.101 | length 1.6
  Top Layer w0.3: U1.101@-1.43,3.65 -0.85,3.65 -0.6,3.4 R1.1@0.05,3.4
NetR40_1: R40.1 R43.2 U40.8 | length 3.5
  Top Layer w0.25: U40.8@10.55,1.62 R40.1@10.55,3.85 R43.2@10.55,5.15
NetR41_2: R41.2 U40.12 | length 3.6
  Top Layer w0.25: R41.2@6.7,4 6.7,3.25 7.2,2.75 8.05,2.75 8.55,2.25 U40.12@8.55,1.62
NetR42_2: R42.2 U40.11 | length 2.8
  Top Layer w0.25: R42.2@8,4 8.029,3.971 8.029,3.521 9.05,2.5 U40.11@9.05,1.62
NetR44_1: R44.1 U40.9 | length 2.7
  Top Layer w0.25: R44.1@9.3,4 9.3,3.5 10.05,2.75 U40.9@10.05,1.62
NetR82_2: R82.2 U80.11 | length 3.2
  Top Layer w0.25: R82.2@-13.35,17.3 -12.705,17.3 -12.25,16.845 U80.11@-10.36,16.845
NetR83_2: R83.2 U80.12 | length 3.2
  Top Layer w0.25: R83.2@-13.35,15.9 -12.695,15.9 -12.25,16.345 U80.12@-10.36,16.345
NetR94_2: R94.2 U81.7 | length 2.9
  Top Layer w0.25: U81.7@-23.45,8.663 R94.2@-23.45,11.55
NetR98_2: R98.2 U80.3 | length 6.6
  Top Layer w0.25: v1(-9.6,13.9) -9.6,14.35 -9.35,14.6 U80.3@-9.35,15.835 ; v1(-5.8,13.9) R98.2@-5.8,14.65
  Bottom Layer w0.25: v1(-9.6,13.9) v1(-5.8,13.9)
NetR99_1: R99.1 U80.2 | length 7.3
  Top Layer w0.25: R99.1@-15.9,14.2 -13.8,14.2 -13.6,14.4 v1(-11.75,14.4) ; v1(-10.3,14.4) -9.85,14.85 U80.2@-9.85,15.835
  Bottom Layer w0.25: v1(-11.75,14.4) v1(-10.3,14.4)
nRESET: P1.10 R2.2 | length 5.4
  Top Layer w0.25: P1.10@-20.66,0.635 -18.585,0.635 -17.6,-0.35 R2.2@-15.65,-0.35
NTC: J20.3 U20.18 | length 10.5
  Top Layer w0.25: U20.18@15.75,14.8 16.3,14.8 18.2,12.9 23.9,12.9 24.167,13.167 J20.3@25.325,13.167
PMIC_GPIO0: U1.4 U20.7 | length 22.6
  Top Layer w0.25: v1(-3.65,6.25) -3.633,6.233 -3.633,5.883 -3.05,5.3 U1.4@-3.05,4.77 ; v1(7.4,13.5) 8.7,14.8 U20.7@10.95,14.8
  Bottom Layer w0.25: v1(-3.65,6.25) -1.396,6.25 -1.25,6.396 -1.25,11 1.25,13.5 v1(7.4,13.5)
PMIC_GPIO1: U1.18 U20.8 | length 30.1
  Top Layer w0.25: v1(-10.35,6.25) -10.333,6.233 -10.333,5.883 -10.05,5.6 U1.18@-10.05,4.77 ; v1(7.4,12.7) 8.05,12.7 9.65,14.3 U20.8@10.95,14.3
  Bottom Layer w0.25: v1(-10.35,6.25) -8.6,4.5 -4.5,4.5 -3.3,5.7 -1.1,5.7 -0.65,6.15 -0.65,10.25 1.8,12.7 v1(7.4,12.7)
PMIC_GPIO2: U1.19 U20.9 | length 32.2
  Top Layer w0.25: v1(-11.05,6.25) -11.05,5.85 -10.55,5.35 U1.19@-10.55,4.77 ; v1(8.75,10.05) 11.6,12.9 U20.9@11.6,13.65
  Bottom Layer w0.25: v1(-11.05,6.25) -11.05,5.85 -10.45,5.25 -10.45,3.6 -10.05,3.2 -1,3.2 -0.35,3.85 2,3.85 6.3,8.15 7.85,8.15 8.226,8.526 8.226,9.526 v1(8.75,10.05)
PMIC_GPIO3: U1.20 U20.10 | length 34.3
  Top Layer w0.25: v1(-11.75,6.25) -11.75,5.85 -11.075,5.175 -11.075,4.795 U1.20@-11.05,4.77 ; v1(9.3,9.5) 10.1,10.3 10.1,10.55 12.1,12.55 U20.10@12.1,13.65
  Bottom Layer w0.25: v1(-11.75,6.25) -11.75,5.85 -11,5.1 -11,3.1 -10.55,2.65 -0.6,2.65 0.05,3.3 2.35,3.3 6.55,7.5 8.1,7.5 8.95,8.35 8.95,9.15 v1(9.3,9.5)
PMIC_GPIO4: U1.99 U20.11 | length 20.1
  Top Layer w0.25: U1.99@-1.43,2.65 v1(1.5,2.65) ; v1(9.85,8.95) 10.75,9.85 10.75,10.35 12.6,12.2 U20.11@12.6,13.65
  Bottom Layer w0.25: v1(1.5,2.65) 2.65,2.65 6.9,6.9 8.35,6.9 9.85,8.4 v1(9.85,8.95)
RED_LED_K: LD80.3 R87.2 | length 2
  Top Layer w0.25: LD80.3@-23.45,-7.65 R87.2@-21.45,-7.65
RXD0: U1.83 U40.26 | length 12.8
  Top Layer w0.25: U1.83@-1.43,-5.35 8.807,-5.35 9.55,-4.607 U40.26@9.55,-3.12
SHPHLD: U1.86 U20.15 | length 28.1
  Top Layer w0.25: U1.86@-1.43,-3.85 -0.764,-3.85 -0.464,-3.55 1,-3.55 v1(1.5,-4.05) ; v1(8.95,6.4) 9.4,6.85 12.35,6.85 14.6,9.1 14.6,11.15 U20.15@14.6,13.65
  Bottom Layer w0.25: v1(1.5,-4.05) 1.5,-2 8.95,5.45 v1(8.95,6.4)
SIM_1V8: R101.2 U1.49 | length 2.8
  Top Layer w0.25: R101.2@-13.7,-10.8 -13.7,-10.75 -13,-10.05 -13,-9.75 -12.6,-9.35 U1.49@-11.67,-9.35
SIM_CLK: R103.2 U1.46 | length 2.1
  Top Layer w0.25: R103.2@-13.7,-7.65 -13.7,-7.69 -13.575,-7.815 -13.285,-7.815 -13.25,-7.85 U1.46@-11.67,-7.85
SIM_DET: R100.2 U1.45 | length 3.3
  Top Layer w0.25: R100.2@-13.7,-5.6 -13.7,-6.5 -12.85,-7.35 U1.45@-11.67,-7.35
SIM_IO: R104.2 U1.48 | length 2.3
  Top Layer w0.25: R104.2@-13.7,-9.5 -13.7,-9.45 -13.1,-8.85 U1.48@-11.67,-8.85
SIM_RST: R102.2 U1.43 | length 3.1
  Top Layer w0.25: R102.2@-13.7,-4.3 -13.7,-4.35 -13.1,-4.95 -13.1,-5.348 -12.109,-6.339 -11.681,-6.339 U1.43@-11.67,-6.35
SWDCLK: P1.4 U1.33 | length 23.6
  Top Layer w0.25: P1.4@-24.47,0.635 -24.47,1.42 -24.65,1.6 -26.85,1.6 -27.7,0.75 -27.7,-1.4 -26.5,-2.6 -16.7,-2.6 -15.45,-1.35 U1.33@-11.67,-1.35
SWDIO: P1.2 U1.34 | length 20.1
  Top Layer w0.25: P1.2@-25.74,0.635 -25.744,0.631 -26.469,0.631 -27,0.1 -27,-1 -26.15,-1.85 -17.75,-1.85 v1(-17.05,-1.15) ; v1(-15.15,-2.6) -14.4,-1.85 U1.34@-11.67,-1.85
  Bottom Layer w0.25: v1(-17.05,-1.15) -15.5,-1.15 -15.15,-1.5 v1(-15.15,-2.6)
TXD0: U1.84 U40.25 | length 11.9
  Top Layer w0.25: U1.84@-1.43,-4.85 8.6,-4.85 9.05,-4.4 U40.25@9.05,-3.12
USBDIN_N: D41.3 J1.A7 J1.B7 | length 12.3
  Top Layer w0.299: D41.3@20.05,0.45 19.9,0.3 19.379,0.3 19.046,-0.033 19.046,-0.981 18.754,-1.273 18.754,-2.221 19.208,-2.676 20.969,-2.676 21.808,-1.837 21.808,-1.356 22.414,-0.75 J1.B7@23.672,-0.75 24.395,-0.75 24.595,-0.55 24.595,0.05 24.395,0.25 J1.A7@23.672,0.25
USBDIN_P: D41.1 J1.A6 J1.B6 | length 8.6
  Top Layer w0.299: D41.1@20.05,-1.45 19.9,-1.6 19.406,-1.6 19.231,-1.776 19.231,-2.024 19.406,-2.199 20.772,-2.199 21.332,-1.639 21.332,-1.158 22.24,-0.25 22.75,-0.25 ; J1.A6@23.672,-0.25 22.95,-0.25 22.75,-0.25 ; J1.B6@23.672,0.75 22.95,0.75 22.75,0.55 22.75,-0.25
USBDOUT_N: D41.4 U40.5 | length 6.6
  Top Layer w0.299: U40.5@11.432,-0.262 15.2,-0.262 15.964,-0.262 16.675,0.45 D41.4@17.75,0.45
USBDOUT_P: D41.6 U40.4 | length 6.6
  Top Layer w0.299: U40.4@11.432,-0.738 15.397,-0.738 15.964,-0.738 16.675,-1.45 D41.6@17.75,-1.45
VBAT: C32.1 D20.2 J20.1 U20.19 | length 2
  Top Layer w0.9: C32.1@22.311,14.33 J20.1@24.075,15.333
VBUS: C20.1 C40.1 C41.1 C44.1 D40.K D41.5 R40.2 U20.21 U40.7 | length 24.1
  Top Layer w0.3: v1(16.65,-2.8) C44.1@17.6,-2.8 ; v1(16.65,-0.5) D41.5@17.75,-0.5
  Bottom Layer w0.6: v1(14.75,1.4) v1(16.65,-0.5) v1(16.65,-2.8) ; v1(18.25,4.85) 19.7,4.85 22,7.15 22,11.55 18.3,15.25 18.3,16.3 v1(19.5,17.5)
VBUSOUT: C21.1 U20.22 | length 5
  Top Layer w0.3: U20.22@15.75,16.8 16.55,16.8 17.4,17.65 17.4,18.8 18,19.4 C21.1@18.95,19.4
VDD: C42.1 C43.1 R44.2 U40.6 | length 27.4
  Top Layer w0.25: R44.2@9.3,5 9.3,5.75 9.85,6.3 12.55,6.3 14.75,8.5 16.5,8.5 16.7,8.3 C43.1@16.7,7.5 C42.1@16.7,6 18.85,6 19.95,4.9 19.95,2.15 19.5,1.7 16.2,1.7 14.75,0.25 U40.6@11.42,0.25
VDD_3V3: C1.1 C2.1 C3.1 C4.1 C5.1 C6.1 C7.2 C8.1 C11.1 C60.2 C80.1 FB1.1 FB2.1 JP60.2 L60.2 LD20.2 LD20.4 LD20.6 LD80.2 LD80.4 LD80.6 P1.1 R3.2 R4.2 R21.1 R80.2 R84.2 R85.2 U1.12 U81.10 | length 206.2
  Top Layer w0.25: v1(-27.15,6.4) C80.1@-27.15,7.4 U81.10@-23.962,7.4 ; R85.2@-10.4,25.75 v1(-10.4,26.75) ; R80.2@-6.65,20.65 v1(-5.65,20.65) ; R84.2@6.9,25.8 v1(6.9,26.8)
  Top Layer w0.3: FB2.1@-13.15,5.15 -13.142,5.158 -13.142,7.942 C5.1@-13.134,7.95 -13.134,9.8 C4.1@-12.784,10.15 ; U1.12@-7.05,4.77 -7.05,6.2 -6.55,6.7 C8.1@-6.55,6.75 C7.2@-6.55,8.05 v1(-6.55,9.65) ; C1.1@-1.5,11.35 -1.15,11 C2.1@-1.15,9.55 FB1.1@-1.15,6.75 ; R4.2@3.5,-3.25 v1(4.3,-3.25) ; R3.2@3.5,-1.95 v1(4.3,-1.95) ; L60.2@4,-14.4 v1(5,-14.4) ; C60.2@4,-12.9 v1(5,-12.9) ; JP60.2@14.2,-15.6 v1(15.2,-15.6)
  Bottom Layer w0.3: v1(-27.15,6.4) -25.2,6.4 ; -10.4,16.6 v1(-10.4,26.75) ; v1(-5.65,20.65) -3.6,20.65 -2.5,19.55 -2.5,16.6 ; 6.9,16.6 v1(6.9,26.8)
  Bottom Layer w0.6: v1(-26.75,-4.65) v1(-26.75,-3.65) -26.75,-3.1 -25.74,-2.09 P1.1@-25.74,-0.635 ; -12.875,16.6 -12.875,12.325 -11.8,11.25 v1(-11.8,10.65) v1(-11.8,9.65) v1(-6.55,9.65) ; v1(-2.5,10.85) v1(-2.5,11.85) -2.5,16.6 ; v1(5,-14.4) v1(5,-12.9) 5,-4.75 4.3,-4.05 v1(4.3,-3.25) v1(4.3,-1.95) 4.3,-1.35 11.15,5.5 ; 13.45,3.2 13.45,-14.65 14.4,-15.6 v1(15.2,-15.6)
  Bottom Layer w1: P1.1@-25.74,-0.635 -27.214,-0.635 -27.8,-0.049 -27.8,1.55 -25.2,4.15 -25.2,6.4 -25.2,12.552 -23.552,14.2 -17.35,14.2 -14.95,16.6 -12.875,16.6 -10.4,16.6 -2.5,16.6 6.9,16.6 8.6,14.9 8.6,11.7 ; v1(6.9,10) 8.6,11.7 ; v1(27.25,8.15) v1(27.25,7.15) 26.3,6.2 23.25,6.2 20.25,3.2 13.45,3.2 11.15,5.5 11.15,9.15 8.6,11.7
  other v1: 5.5,9.1 6.9,9.1 6.2,9.55 5.5,10
VDD_IO: C37.1 U20.12 | length 3.2
  Top Layer w0.3: C37.1@13.1,10.5 U20.12@13.1,13.65
VDD_REGOUT: C28.1 C29.1 C30.1 R21.2 U21.5 U22.2
VDDIO: C81.1 U81.1 U81.6 | length 16.2
  Top Layer w0.25: v1(-23.45,3.35) C81.1@-23.45,4.2 U81.1@-23.45,7.138 ; U81.6@-22.95,8.663 -22.95,10.4 -22.25,11.1 v1(-22.25,11.8)
  Bottom Layer w0.25: v1(-23.45,3.35) -23.45,10.6 v1(-22.25,11.8)
VREGIN: C25.1 C26.1 C27.1 R20.1 U21.1 U21.3 U22.3
VSYS: C22.1 R20.2 U20.1 U20.4 U20.20 U20.32 | length 15.6
  Bottom Layer w0.6: v1(10.95,19.45) 12.95,21.45 18.35,21.45 21.05,18.75 21.05,17.2 v1(19.65,15.8)
pads on no net: A61. D100.4 J1. J1.A8 J1.B8 J100. J100.C6 P1.6 P1.7 P1.8 U1.10 U1.23 U1.24 U1.25 U1.26 U1.28 U1.29 U1.30 U1.35 U1.37 U1.38 U1.39 U1.40 U1.42 U1.51 U1.64 U1.70 U1.71 U1.73 U1.87 U1.91 U1.92 U1.100 U1.104 U1.105 U1.106 U1.107 U1.108 U1.109 U1.110 U1.111 U1.112 U1.113 U1.114 U1.115 U1.116 U1.117 U1.118 U1.119 U1.120 U1.121 U1.122 U1.123 U1.124 U1.125 U1.126 U1.127 U20.3 U20.5 U21.4 U40.1 U40.2 U40.10 U40.13 U40.14 U40.15 U40.16 U40.17 U40.18 U40.19 U40.20 U40.21 U40.22 U40.23 U40.24 U40.27 U40.28

## Polygon pours and split planes (outlines as drawn)
GND on Top Layer "NONET_L01_P-001" (solid, remove dead copper, pour order 23): -30,-30 30,-30 30,30 -30,30
VSYS on Top Layer "NPM_VSYS" (solid, remove dead copper, pour order 6): 11.2,17.925 11.475,18.2 11.75,18.2 11.75,21.9 10.25,21.9 10.25,18.95 9.25,17.95 9.25,16.65 9.75,16.15 10.95,16.15 10.95,16.45 10.45,16.45 10.25,16.65 10.25,17.45 10.45,17.65 11.2,17.65
VDD_3V3 on Top Layer "NONET_L01_P-001" (solid, remove dead copper, pour order 22): 27.7,8.55 27.5,8.75 25.85,8.75 25.85,6.55 27.5,6.55 27.7,6.75
VDD_3V3 on Top Layer "NONET_L01_P-001" (solid, remove dead copper, pour order 19): -27.7,-3.65 -27.2,-3.15 -25,-3.15 -25,-5.7 -25.85,-6.55 -25.85,-8.75 -27.5,-8.75 -27.7,-8.55
VBAT on Top Layer "NPM_VBAT" (solid, remove dead copper, pour order 5): 18.65,13.3 16.8,15.15 15.75,15.15 15.75,15.45 17.7,15.45 18.35,14.8 23.2,14.8 23.2,13.3
VDD_3V3 on Top Layer "NONET_L01_P-001" (solid, remove dead copper, pour order 15): -0.75,10.35 -2.05,10.35 -3.25,9.15 -13.534,9.15 -13.534,11.15 -4.35,11.15 -3.15,12.35 -0.75,12.35
VDD_3V3 on Top Layer "NONET_L01_P-001" (solid, remove dead copper, pour order 9): 7.4,8.8 7.2,8.6 3.25,8.6 3.25,10.45 7.2,10.45 7.4,10.25
VDD_REGOUT on Top Layer "NONET_L01_P-001" (solid, remove dead copper, pour order 8): 3.75,17.8 3.95,18 4.75,18 4.75,18.6 3.95,18.6 3.75,18.8 3.75,21.9 3.95,22.1 4.65,22.1 4.65,22.7 2.35,22.7 1.85,22.2 1.85,16 3.25,14.6 3.25,10.85 5.05,10.85 5.05,17.15 3.95,17.15 3.75,17.35
VREGIN on Top Layer "NONET_L01_P-001" (solid, remove dead copper, pour order 7): 7.95,19.75 7.75,19.55 6.975,19.55 6.975,18.95 9.35,18.95 9.85,19.45 9.85,26.3 8.45,26.3 7.95,25.8 7.95,24.8 7.75,24.6 7.05,24.6 7.05,24 7.75,24 7.95,23.8 7.95,22.9 7.75,22.7 7.05,22.7 7.05,22.1 7.75,22.1 7.95,21.9
VSYS on Top Layer "NPM_VSYS" (solid, remove dead copper, pour order 0): 18.35,16.5 17.8,15.95 15.8,15.95 15.8,15.65 17.8,15.65 18.35,15.1 21,15.1 21,16.5
VBUS on Top Layer "NPM_VBUS" (solid, remove dead copper, pour order 2): 18.55,18.2 16.8,16.45 15.75,16.45 15.75,16.15 17.7,16.15 18.35,16.8 21,16.8 21,18.2
VBUS on Top Layer "NONET_L01_P-001" (solid, remove dead copper, pour order 1): 19.25,2.5 18.75,2 16.65,2 15.3,0.65 11.15,0.65 11.15,4.35 16.75,4.35 17.75,5.35 18.75,5.35 19.25,4.85
GND on Bottom Layer "NONET_L01_P-001" (solid, remove dead copper, pour order 21): -30,-30 30,-30 30,30 -30,30
VDD_3V3 on Bottom Layer "NONET_L01_P-001" (solid, remove dead copper, pour order 12): 5,10.3 5.2,10.5 7.4,10.5 7.4,8.8 7.2,8.6 5.2,8.6 5,8.8
GND on L2 "NONET_L01_P-001" (solid, remove dead copper, pour order 10): -30,-30 -30,30 30,30 30,-30
GND on L3 "NONET_L01_P-001" (solid, remove dead copper, pour order 11): -30,-30 -30,30 30,30 30,-30

## Keep-outs
Keep-Out Layer:
  lines w0.2: 15.779,-25.511 15.779,-19.452 cw(c19.445,-19.445) 19.451,-15.779 25.171,-15.779 26,-14.95 26,-6.4 26.5,-5.9 29.4,-5.9 ; 15.781,-25.514 cw(c0,0) -9.969,-28.295 -9.969,-23 -11.485,-23 -11.485,-27.714 cw(c0,0) -25.502,15.8 -19.5,15.8 ccw(c-19.425,19.425) -15.8,19.35 -15.8,25.502 cw(c0,0) 29.414,-5.903

## Other copper
Top Layer:
  pour cut-out: -7.55,-12.45 -7.436,-11.5 -6.664,-11.5 -6.55,-12.45
  pour cut-out: -7.55,-22.7 -7.55,-12.45 -6.55,-12.45 -6.55,-22.7
  pour cut-out: 20.3,-14.15 26,-14.15 26,-8.25 20.3,-8.25
  pour cut-out: -30,-22.7 -30,-30 30,-30 30,-22.7
  pour cut-out: -26.35,11.05 -20.05,11.05 -20.05,4.75 -26.35,4.75
  pour cut-out: -12.85,19.845 -6.35,19.845 -6.35,13.345 -12.85,13.345
L2:
  pour cut-out: 20.3,-14.15 26,-14.15 26,-8.25 20.3,-8.25
  pour cut-out: -30,-30 -30,-22.7 30,-22.7 30,-30
L3:
  pour cut-out: 20.3,-14.15 26,-14.15 26,-8.25 20.3,-8.25
  pour cut-out: -30,-30 -30,-22.7 30,-22.7 30,-30
Bottom Layer:
  pour cut-out: 20.3,-14.15 26,-14.15 26,-8.25 20.3,-8.25
  pour cut-out: -30,-30 -30,-22.7 30,-22.7 30,-30

## Silkscreen, mask and mechanical layers (free items; w line width, h text height)
Top Overlay:
  lines w0.1: -21.6,-16.85 -21.2,-16.45 ; -21.5,-16.45 -21.2,-16.45 ; -21.2,-16.75 -21.2,-16.45 ; -19.45,-8.9 -19.75,-8.6 ; -19.45,-8.3 -19.75,-8.6 ; -18.55,-8.6 -19.75,-8.6 ; -17.75,15.1 -16.9,15.95 -16.2,15.95 -15,17.15 ; -15.35,17.15 -15,17.15 ; -15,16.8 -15,17.15 ; -9.25,27.4 -9.05,27.6 ; -9.25,27.8 -9.05,27.6 ; 11.6,22.5 11.6,22.75 ; 11.85,22.75 11.6,22.75 ; 15.8,21.925 12.425,21.925 11.6,22.75 ; 18.05,12.45 18.35,12.15 ; 18.15,12.15 18.35,12.15 ; 18.35,12.35 18.35,12.15 ; 19.7,6.6 20.2,7.1 ; 20,7.1 20.2,7.1 ; 20.2,6.9 20.2,7.1 ; -12.75,25.35 -15.3,25.35 -15.3,22.8 -12.75,22.8 -12.75,25.35 ; -12.75,25.35 -10.5,27.6 -9.05,27.6 ; 8.75,22.3 11.35,22.3 11.35,25.1 8.75,25.1 8.75,22.3 ; 15.8,20.55 18.35,20.55 18.35,23.3 15.8,23.3 15.8,20.55
  lines w0.2: -26.35,4.75 -26.35,11.05 -20.05,11.05 -20.05,4.75 -26.35,4.75 ; -12.85,13.35 -12.85,19.85 -6.35,19.85 -6.35,13.35 -12.85,13.35
Bottom Overlay:
  drawing of 14 lines, arcs and shapes, not listed
  text "Outdoor Tracker" at 6.477,-26.341 h2
  text "10.2024        v1.0" at 6.767,-28.332 h2
Mechanical 1:
  circle w0.254: c19.445,-19.445 r1.25
  circle w0.254: c-19.445,19.445 r1.25
  circle w0.2: c0,0 r30

## Text inside footprints (layer, text, board x,y; h text height)
J1: Mechanical 13 "PCB EDGE" at 30.927,5.4 h1.52 r90
P80: Top Overlay "1" at 0.65,25.65 h1